# KiCad board Panel.kicad_pcb
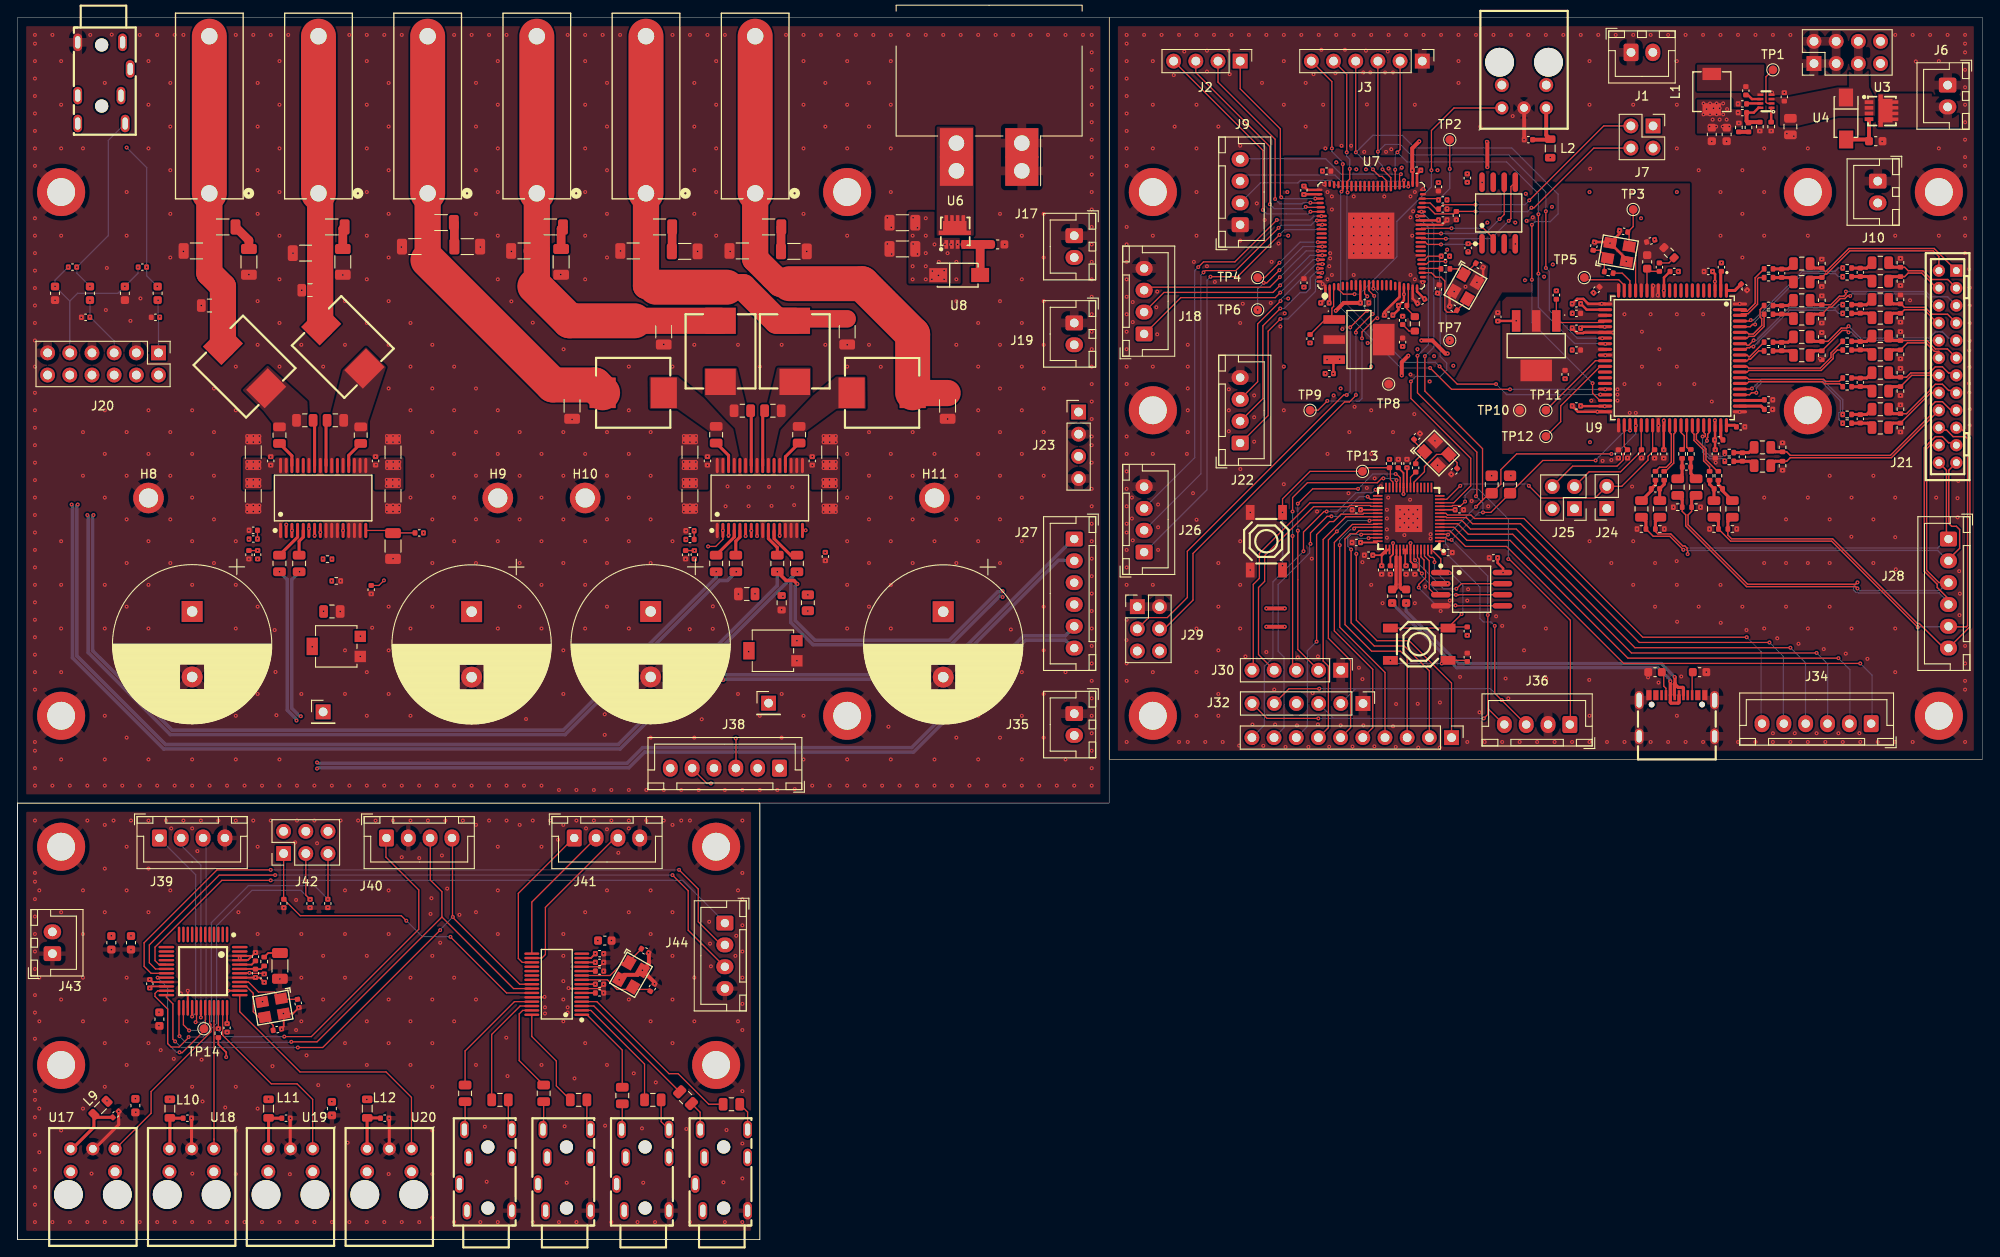
[diagram p0: board, top side]
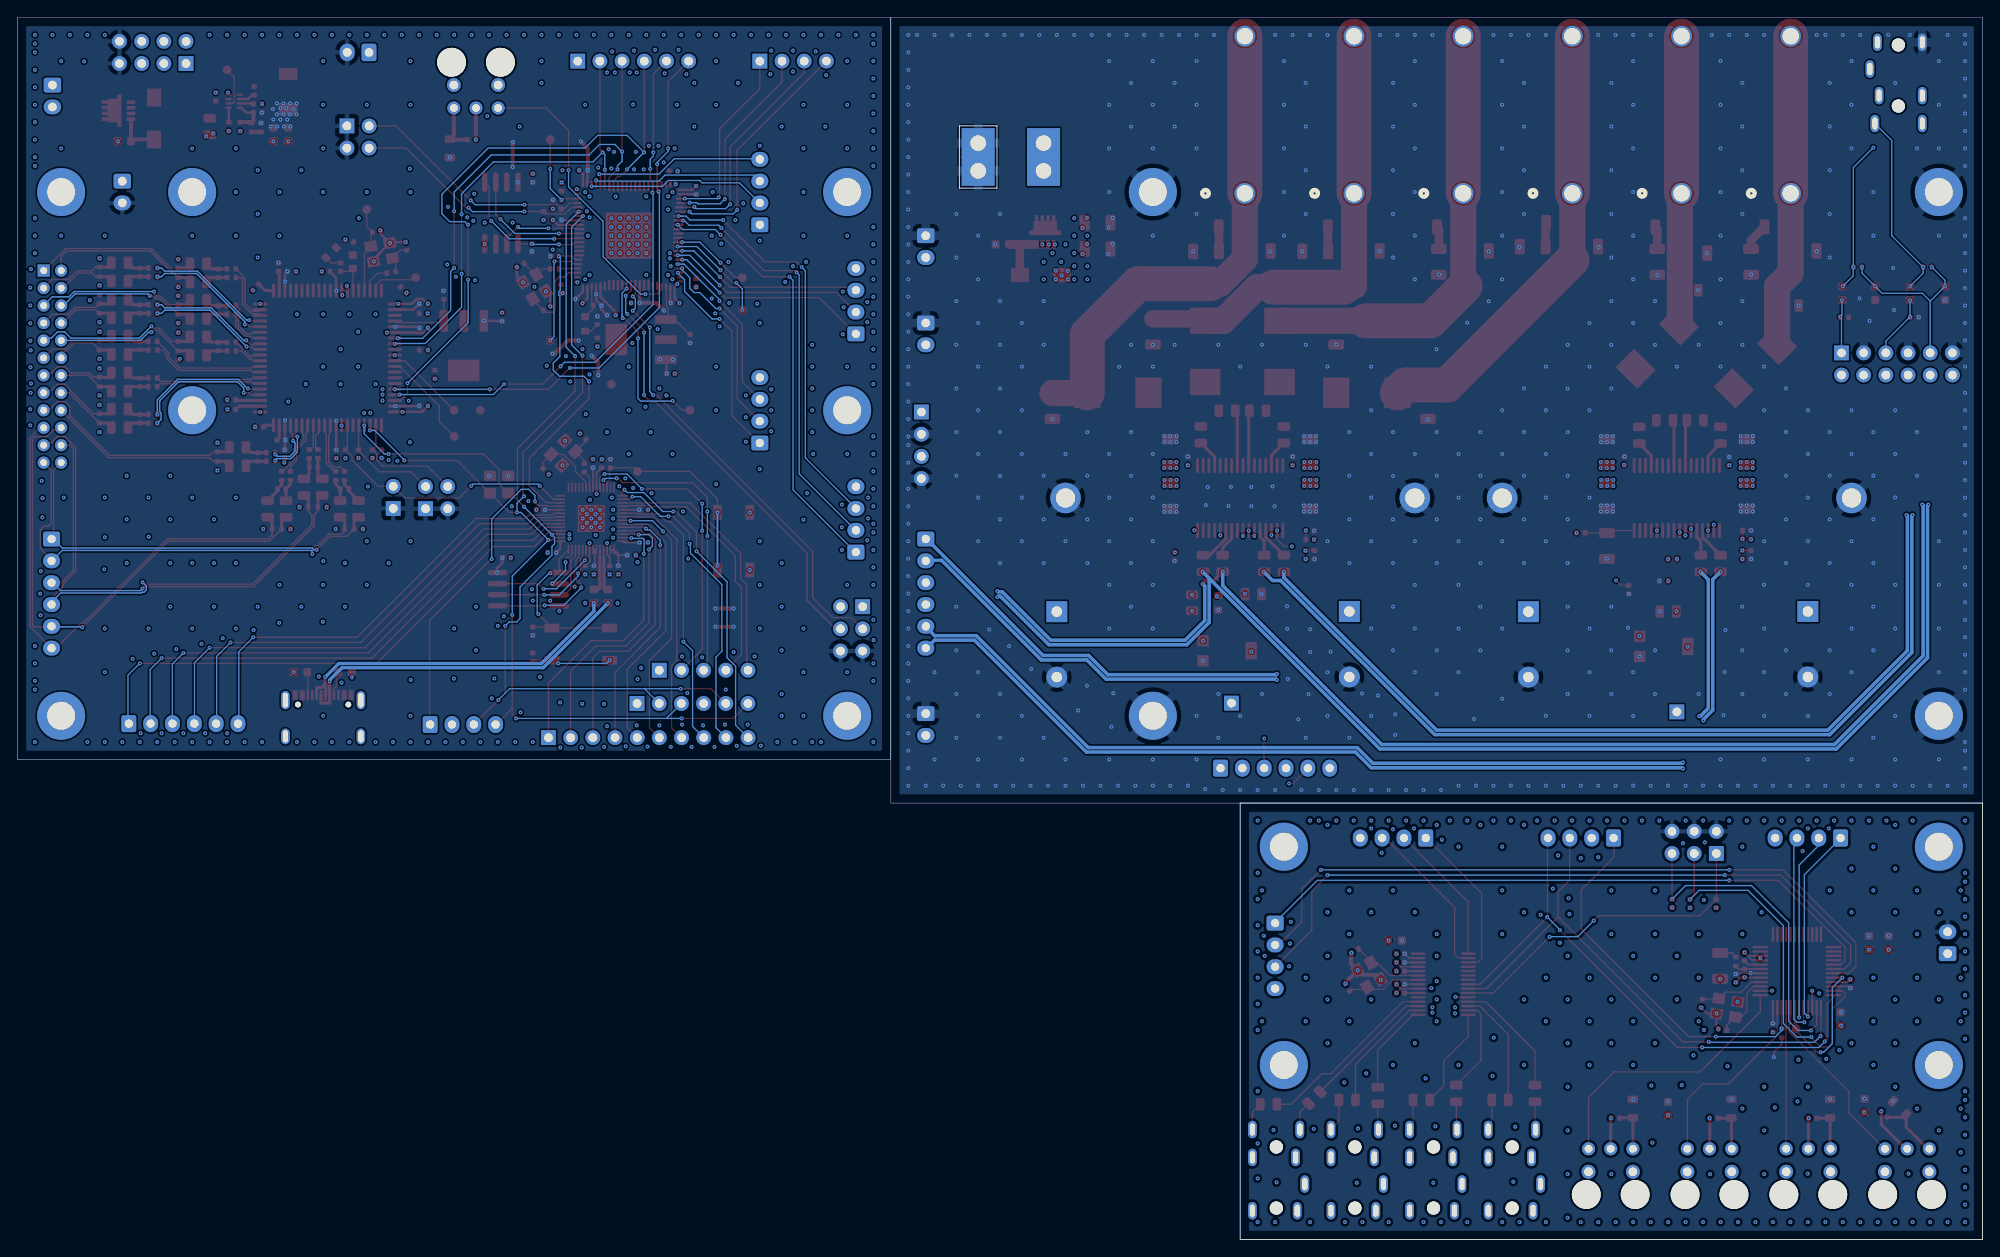
[diagram p1: board, bottom side, seen from below]

Outline 225 x 140 mm; copper layers: Top, In1.Cu, In2.Cu, Bottom. Coordinates in mm from the lower left corner of the outline.
Outline path: rectangle 0,140 125,50 ; rectangle 125,140 225,55 ; 0,50 85,50 85,0 0,0 0,50
Stack: Top 0.035mm / dielectric 0.0994mm 3313 er 4.1 / In1.Cu 0.0152mm / dielectric 1.265mm JLCPCB Core er 4.6 / In2.Cu 0.0152mm / dielectric 0.0994mm 3313 er 4.1 / Bottom 0.035mm

## Placement (name value [footprint] x y rotation side)
C1  100nF  [C_0402_1005Metric]  197.9 131.6 90 top
C2  100nF  [C_0402_1005Metric]  202.3 130.9 90 top
C3  33nF  [C_0402_1005Metric]  197.5 130.1 180 top
C4  47pF  [C_0402_1005Metric]  197.5 129.1 0 top
C5  10uF  [C_0805_2012Metric]  203 127.5 270 top
C6  22uF  [C_0603_1608Metric]  194 126.6 270 top
C7  22uF  [C_0603_1608Metric]  195.7 126.6 270 top
C8  100nF  [C_0402_1005Metric]  173 126 0 top
C9  10uF  [C_0402_1005Metric]  160.2 122.5 180 top
C10  10uF  [C_0402_1005Metric]  149.9 122.4 0 top
C11  10uF  [C_0402_1005Metric]  166 121.6 270 top
C12  10uF  [C_0402_1005Metric]  162.7 120.6 270 top
C13  10uF  [C_0402_1005Metric]  147.3 120.2 270 top
C14  10uF  [C_0402_1005Metric]  163.2 116.8 180 top
C15  10uF  [C_1206_3216Metric]  101.32 116.49 0 top
C16  30pF  [C_0402_1005Metric]  183.9 115.5 350 top
C17  10uF  [C_0402_1005Metric]  187 114.4 195 top
C18  30pF  [C_0402_1005Metric]  180.5 113.8 80 top
C19  1nF  [C_1206_3216Metric]  45.5 113.75 180 top
C20  10nF  [C_1206_3216Metric]  51.5 113.75 0 top
C21  10uF  [C_1206_3216Metric]  101.32 113.49 0 top
C22  1nF  [C_1206_3216Metric]  20.5 113.25 180 top
C23  1nF  [C_1206_3216Metric]  58 113.25 0 top
C24  1nF  [C_1206_3216Metric]  70.5 113.25 180 top
C25  1nF  [C_1206_3216Metric]  83 113.25 0 top
C26  10nF  [C_1206_3216Metric]  76.4 113.2 0 top
C27  10nF  [C_1206_3216Metric]  88.9 113.2 180 top
C28  1nF  [C_1206_3216Metric]  33 113 0 top
C29  10nF  [C_1206_3216Metric]  26.5 112 270 top
C30  10nF  [C_1206_3216Metric]  37.25 112 90 top
C31  10nF  [C_1206_3216Metric]  62.25 112 90 top
C32  390pF  [C_0603_1608Metric]  186.6 112 270 top
C33  10uF  [C_0805_2012Metric]  213.3 111.9 180 top
C34  10uF  [C_0805_2012Metric]  204.3 111.8 180 top
C35  30pF  [C_0402_1005Metric]  167.4 111.6 330 top
C36  5.6nF  [C_0402_1005Metric]  188 111.4 270 top
C37  470nF  [C_0402_1005Metric]  195.1 111.4 90 top
C38  10uF  [C_0402_1005Metric]  189.7 110.9 180 top
C39  10uF  [C_0402_1005Metric]  193.6 110.9 0 top
C40  2.7nF  [C_0402_1005Metric]  211 110.8 270 top
C41  2.7nF  [C_0402_1005Metric]  202 110.7 270 top
C42  10uF  [C_0805_2012Metric]  213.3 109.8 0 top
C43  10uF  [C_0805_2012Metric]  204.3 109.7 0 top
C44  10uF  [C_0402_1005Metric]  147.3 109.6 90 top
C45  470nF  [C_0402_1005Metric]  197.7 109.1 135 top
C46  10uF  [C_0402_1005Metric]  162.7 108.9 80 top
C47  10uF  [C_0402_1005Metric]  180.8 108.8 45 top
C48  1uF  [C_0805_2012Metric]  33.5 108.75 0 top
C49  180nF  [C_0603_1608Metric]  4.3 108.4 90 top
C50  180nF  [C_0603_1608Metric]  8.3 108.4 90 top
C51  180nF  [C_0603_1608Metric]  12.3 108.4 90 top
C52  180nF  [C_0603_1608Metric]  16.05 108.4 270 top
C53  10uF  [C_0805_2012Metric]  213.3 107.7 180 top
C54  10uF  [C_0805_2012Metric]  204.3 107.6 180 top
C55  10uF  [C_0402_1005Metric]  160.7 107.5 30 top
C56  10uF  [C_0402_1005Metric]  149.7 107.3 0 top
C57  10uF  [C_0402_1005Metric]  154.25 107.3 180 top
C58  10uF  [C_0402_1005Metric]  178.5 107.2 0 top
C59  1uF  [C_0805_2012Metric]  22 107 180 top
C60  150pF  [C_0402_1005Metric]  158.6 107 0 top
C61  30pF  [C_0402_1005Metric]  164.4 106.7 330 top
C62  2.7nF  [C_0402_1005Metric]  211 106.6 270 top
C63  2.7nF  [C_0402_1005Metric]  202 106.5 270 top
C64  10uF  [C_0402_1005Metric]  178.5 106.1 0 top
C65  10uF  [C_0402_1005Metric]  157 105.9 0 top
C66  10uF  [C_0402_1005Metric]  169.5 105.7 270 top
C67  10uF  [C_0805_2012Metric]  213.3 105.6 0 top
C68  10uF  [C_0805_2012Metric]  204.3 105.5 0 top
C69  5.6nF  [C_0402_1005Metric]  158.6 105.3 90 top
C70  10uF  [C_0402_1005Metric]  178.5 104.4 0 top
C71  680nF  [C_1206_3216Metric]  74 104 90 top
C72  680nF  [C_1206_3216Metric]  95 104 270 top
C73  10uF  [C_0805_2012Metric]  213.3 103.5 180 top
C74  10uF  [C_0805_2012Metric]  204.3 103.4 180 top
C75  10uF  [C_0402_1005Metric]  158.6 102.8 90 top
C76  2.7nF  [C_0402_1005Metric]  211 102.4 270 top
C77  2.7nF  [C_0402_1005Metric]  202 102.3 270 top
C78  10uF  [C_0402_1005Metric]  178.5 101.9 0 top
C79  10uF  [C_0805_2012Metric]  213.3 101.4 0 top
C80  10uF  [C_0805_2012Metric]  204.3 101.3 0 top
C81  10uF  [C_0805_2012Metric]  213.3 99.3 180 top
C82  10uF  [C_0402_1005Metric]  150.2 99.2 0 top
C83  10uF  [C_0402_1005Metric]  177.2 99.1 90 top
C84  2.7nF  [C_0402_1005Metric]  211 98.2 270 top
C85  10uF  [C_0805_2012Metric]  213.3 97.2 0 top
C86  10uF  [C_0402_1005Metric]  200.5 96.2 0 top
C87  680nF  [C_1206_3216Metric]  63.5 95.5 270 top
C88  680nF  [C_1206_3216Metric]  106.5 95.5 90 top
C89  10uF  [C_0402_1005Metric]  178.5 95.5 0 top
C90  10uF  [C_0805_2012Metric]  213.3 95.12 180 top
C91  10uF  [C_0402_1005Metric]  200.5 95.1 0 top
C92  220nF  [C_0805_2012Metric]  83 94.95 180 top
C93  220nF  [C_0805_2012Metric]  86.5 94.95 0 top
C94  2.7nF  [C_0402_1005Metric]  211 94.02 270 top
C95  220nF  [C_0805_2012Metric]  32.9 93.85 180 top
C96  220nF  [C_0805_2012Metric]  36.4 93.85 0 top
C97  470nF  [C_0402_1005Metric]  197.3 93.1 180 top
C98  10uF  [C_0805_2012Metric]  213.3 93.02 0 top
C99  220nF  [C_0805_2012Metric]  80 92.2 90 top
C100  220nF  [C_0805_2012Metric]  89.5 92.2 90 top
C101  220nF  [C_0805_2012Metric]  30 92.15 90 top
C102  220nF  [C_0805_2012Metric]  39.3 92.15 90 top
C103  30pF  [C_0402_1005Metric]  160.25 92 225 top
C104  470nF  [C_0402_1005Metric]  194.8 91.6 180 top
C105  10uF  [C_0805_2012Metric]  199.8 90.75 180 top
C106  10uF  [C_1206_3216Metric]  27 90.2 90 top
C107  10uF  [C_1206_3216Metric]  43 90.2 90 top
C108  10uF  [C_1206_3216Metric]  77 90.2 90 top
C109  10uF  [C_1206_3216Metric]  93 90.2 90 top
C110  10uF  [C_0402_1005Metric]  183.3 90 90 top
C111  10uF  [C_0402_1005Metric]  188.5 90 90 top
C112  10uF  [C_0402_1005Metric]  194.4 90 90 top
C113  2.7nF  [C_0402_1005Metric]  197.5 89.65 270 top
C114  100nF  [C_0402_1005Metric]  29 89.2 90 top
C115  100nF  [C_0402_1005Metric]  41 89.2 90 top
C116  100nF  [C_0402_1005Metric]  79 89.2 90 top
C117  100nF  [C_0402_1005Metric]  91 89.2 90 top
C118  10uF  [C_0402_1005Metric]  158.1 88.9 270 top
C119  10uF  [C_0402_1005Metric]  159.1 88.9 270 top
C120  10uF  [C_0805_2012Metric]  199.8 88.65 0 top
C121  2.7nF  [C_0402_1005Metric]  191.1 88.5 180 top
C122  30pF  [C_0402_1005Metric]  164.5 88 45 top
C123  10uF  [C_0805_2012Metric]  190.1 86.2 270 top
C124  10uF  [C_0805_2012Metric]  192.2 86.2 90 top
C125  2.7nF  [C_0402_1005Metric]  187.55 86 180 top
C126  2.7nF  [C_0402_1005Metric]  194.75 86 180 top
C127  10uF  [C_1206_3216Metric]  27 85.2 270 top
C128  10uF  [C_1206_3216Metric]  43 85.2 270 top
C129  10uF  [C_1206_3216Metric]  77 85.2 270 top
C130  10uF  [C_1206_3216Metric]  93 85.2 270 top
C131  10uF  [C_0805_2012Metric]  185.95 83.7 270 top
C132  10uF  [C_0805_2012Metric]  188.05 83.7 90 top
C133  10uF  [C_0805_2012Metric]  194.25 83.7 270 top
C134  10uF  [C_0805_2012Metric]  196.35 83.7 90 top
C135  10uF  [C_0402_1005Metric]  153.3 83.6 0 top
C136  10uF  [C_0402_1005Metric]  165.1 83.6 180 top
C137  10uF  [C_0402_1005Metric]  153.3 79.85 0 top
C138  1nF  [C_1206_3216Metric]  43 79.45 270 top
C139  10uF  [C_0402_1005Metric]  163.8 78.7 180 top
C140  10uF  [C_0402_1005Metric]  154.7 78.4 0 top
C141  10uF  [C_0402_1005Metric]  169 78.1 0 top
C142  1uF  [C_0805_2012Metric]  30 77.45 90 top
C143  1uF  [C_0805_2012Metric]  32.25 77.45 90 top
C144  1uF  [C_0805_2012Metric]  80 77.45 90 top
C145  1uF  [C_0805_2012Metric]  82.25 77.45 90 top
C146  1uF  [C_0805_2012Metric]  87 77.45 90 top
C147  1uF  [C_0805_2012Metric]  89.25 77.45 90 top
C148  10uF  [C_0402_1005Metric]  156.2 76.7 90 top
C149  10uF  [C_0402_1005Metric]  157.2 76.7 90 top
C150  10uF  [C_0402_1005Metric]  159 76.7 90 top
C151  10uF  [C_0402_1005Metric]  160 76.7 90 top
C152  1uF X7R  [C_0805_2012Metric]  83.5 73.95 0 top
C153  2200uF  [CP_Radial_D18.0mm_P7.50mm]  20 71.95 270 top
C154  1uF X7R  [C_0805_2012Metric]  36 71.95 180 top
C155  2200uF  [CP_Radial_D18.0mm_P7.50mm]  72.5 71.95 270 top
C156  2200uF  [CP_Radial_D18.0mm_P7.50mm]  52 71.93 270 top
C157  2200uF  [CP_Radial_D18.0mm_P7.50mm]  106 71.93 270 top
C158  22uF  [C_0603_1608Metric]  67.25 34.25 0 top
C159  22uF  [C_0603_1608Metric]  10.75 34 270 top
C160  22uF  [C_0603_1608Metric]  13 34 270 top
C161  30pF  [C_0402_1005Metric]  71.85 33.07 330 top
C162  10uF  [C_0402_1005Metric]  66.65 32.75 180 top
C163  10uF  [C_0402_1005Metric]  27.25 32.4 90 top
C164  10uF  [C_0402_1005Metric]  66.65 31.75 180 top
C165  68nF  [C_1206_3216Metric]  30.05 31.35 90 top
C166  10uF  [C_0402_1005Metric]  66.65 30.75 0 top
C167  4.7nF  [C_0402_1005Metric]  27.25 30.5 270 top
C168  10uF  [C_0402_1005Metric]  28.25 29.95 90 top
C169  10uF  [C_0402_1005Metric]  15.15 29.3 270 top
C170  10uF  [C_0402_1005Metric]  66.65 29.25 180 top
C171  30pF  [C_0402_1005Metric]  72.7 28.87 240 top
C172  10uF  [C_0402_1005Metric]  66.65 28.25 0 top
C173  30pF  [C_0402_1005Metric]  32.15 27.05 280 top
C174  22uF  [C_0603_1608Metric]  16.25 25.25 270 top
C175  10uF  [C_0402_1005Metric]  24 24.25 90 top
C176  30pF  [C_0402_1005Metric]  29.75 24.05 190 top
C177  10uF  [C_0805_2012Metric]  51.25 16.75 90 top
C178  10uF  [C_0805_2012Metric]  60.25 16.75 90 top
C179  10uF  [C_0805_2012Metric]  69.25 16.5 90 top
C180  10uF  [C_0805_2012Metric]  76.5 16.25 135 top
C181  10uF  [C_0805_2012Metric]  55.25 16 180 top
C182  10uF  [C_0805_2012Metric]  64.25 16 180 top
C183  10uF  [C_0805_2012Metric]  72.75 16 180 top
C184  10uF  [C_0805_2012Metric]  81.75 15.5 180 top
C185  22uF  [C_0603_1608Metric]  13.5 15.34 270 top
C186  22uF  [C_0603_1608Metric]  36 15 270 top
C187  100nF  [C_0402_1005Metric]  11.25 14.34 225 top
C188  100nF  [C_0402_1005Metric]  19.45 13.9 180 top
C189  100nF  [C_0402_1005Metric]  30.75 13.9 180 top
C190  100nF  [C_0402_1005Metric]  42.05 13.9 180 top
H1  MountingHole_Pad  [MountingHole_3.2mm_M3_ISO14580_Pad]  5 120 0 top
H2  MountingHole_Pad  [MountingHole_3.2mm_M3_ISO14580_Pad]  95 120 0 top
H3  MountingHole_Pad  [MountingHole_3.2mm_M3_ISO14580_Pad]  130 120 0 top
H4  MountingHole_Pad  [MountingHole_3.2mm_M3_ISO14580_Pad]  205 120 0 top
H5  MountingHole_Pad  [MountingHole_3.2mm_M3_ISO14580_Pad]  220 120 0 top
H6  MountingHole_Pad  [MountingHole_3.2mm_M3_ISO14580_Pad]  130 95 0 top
H7  MountingHole_Pad  [MountingHole_3.2mm_M3_ISO14580_Pad]  205 95 0 top
H8  MountingHole_Pad  [MountingHole_2.2mm_M2_ISO7380_Pad]  15 84.95 0 top
H9  MountingHole_Pad  [MountingHole_2.2mm_M2_ISO7380_Pad]  55 84.95 0 top
H10  MountingHole_Pad  [MountingHole_2.2mm_M2_ISO7380_Pad]  65 84.95 0 top
H11  MountingHole_Pad  [MountingHole_2.2mm_M2_ISO7380_Pad]  105 84.95 0 top
H12  MountingHole_Pad  [MountingHole_3.2mm_M3_ISO14580_Pad]  5 60 0 top
H13  MountingHole_Pad  [MountingHole_3.2mm_M3_ISO14580_Pad]  95 60 0 top
H14  MountingHole_Pad  [MountingHole_3.2mm_M3_ISO14580_Pad]  130 60 0 top
H15  MountingHole_Pad  [MountingHole_3.2mm_M3_ISO14580_Pad]  220 60 0 top
H16  MountingHole_Pad  [MountingHole_3.2mm_M3_ISO14580_Pad]  5 45 180 top
H17  MountingHole_Pad  [MountingHole_3.2mm_M3_ISO14580_Pad]  80 45 180 top
H18  MountingHole_Pad  [MountingHole_3.2mm_M3_ISO14580_Pad]  5 20 180 top
H19  MountingHole_Pad  [MountingHole_3.2mm_M3_ISO14580_Pad]  80 20 180 top
J1  Conn_01x02_Pin  [JST_XH_B2B-XH-A_1x02_P2.50mm_Vertical]  186 136 180 top
J2  DNP  [PinHeader_1x04_P2.54mm_Vertical]  140 135 270 top
J3  DNP  [PinHeader_1x06_P2.54mm_Vertical]  160.85 135 270 top
J4  DNP  [PinHeader_2x04_P2.54mm_Vertical]  205.7 134.72 90 top
J5  ST-0322D00-071-1A2H  [AUDIO-TH_ST-0322D00-071-1A2H]  9.9 132.5 270 top
J6  Conn_01x02_Pin  [JST_XH_B2B-XH-A_1x02_P2.50mm_Vertical]  221 131 90 top
J7  DNP  [PinHeader_2x02_P2.54mm_Vertical]  187.28 127.58 270 top
J8  DNP  [Molex_Sabre_43160-1102_1x02_P7.49mm_Horizontal]  115 125.6 180 top
J9  DNP  [JST_XH_B4B-XH-A_1x04_P2.50mm_Vertical]  140 120 270 top
J10  Conn_01x02_Pin  [JST_XH_B2B-XH-A_1x02_P2.50mm_Vertical]  213 120 90 top
J11  banana connector  [CONN_973582100_HRS]  21.97 119.85 180 top
J12  banana connector  [CONN_973582100_HRS]  34.47 119.85 180 top
J13  banana connector  [CONN_973582100_HRS]  46.97 119.85 180 top
J14  banana connector  [CONN_973582100_HRS]  59.47 119.85 180 top
J15  banana connector  [CONN_973582100_HRS]  71.97 119.85 180 top
J16  banana connector  [CONN_973582100_HRS]  84.47 119.85 180 top
J17  Conn_01x02_Pin  [JST_XH_B2B-XH-A_1x02_P2.50mm_Vertical]  121 113.75 90 top
J18  B4B-XH-2_(LF)(SN)  [JST_XH_B4B-XH-A_1x04_P2.50mm_Vertical]  129 107.5 270 top
J19  Conn_01x02_Pin  [JST_XH_B2B-XH-A_1x02_P2.50mm_Vertical]  121 103.75 90 top
J20  DNP  [PinHeader_2x06_P2.54mm_Vertical]  16.15 101.58 270 top
J21  DAC all outputs  [CONN-TH_24P-P2.00_B24B-PHDSS]  221 100 90 top
J22  B4B-XH-2_(LF)(SN)  [JST_XH_B4B-XH-A_1x04_P2.50mm_Vertical]  140 95 270 top
J23  DNP  [PinHeader_1x04_P2.54mm_Vertical]  121.5 94.8 0 top
J24  DNP  [PinSocket_1x02_P2.54mm_Vertical]  181.97 83.75 180 top
J25  DNP  [PinHeader_2x02_P2.54mm_Vertical]  178.28 83.72 180 top
J26  B4B-XH-2_(LF)(SN)  [JST_XH_B4B-XH-A_1x04_P2.50mm_Vertical]  129 82.5 270 top
J27  B6B-XH-2(LF)(SN)  [JST_XH_B6B-XH-A_1x06_P2.50mm_Vertical]  121 74 90 top
J28  B6B-XH-2(LF)(SN)  [JST_XH_B6B-XH-A_1x06_P2.50mm_Vertical]  221.1 74 90 top
J29  DNP  [PinHeader_2x03_P2.54mm_Vertical]  128.22 72.5 0 top
J30  DNP  [PinHeader_1x05_P2.54mm_Vertical]  151.51 65.22 270 top
J31  Conn_01x01_Pin  [PinHeader_1x01_P2.54mm_Vertical]  86 61.45 0 top  (not fitted)
J32  DNP  [PinHeader_1x06_P2.54mm_Vertical]  154.06 61.41 270 top
J33  Conn_01x01_Pin  [PinHeader_1x01_P2.54mm_Vertical]  35 60.45 0 top  (not fitted)
J34  B6B-XH-2(LF)(SN)  [JST_XH_B6B-XH-A_1x06_P2.50mm_Vertical]  206 59.1 0 top
J35  Conn_01x02_Pin  [JST_XH_B2B-XH-A_1x02_P2.50mm_Vertical]  121 59 90 top
J36  B4B-XH-2_(LF)(SN)  [JST_XH_B4B-XH-A_1x04_P2.50mm_Vertical]  174 59 0 top
J37  DNP  [PinHeader_1x10_P2.54mm_Vertical]  164.2 57.5 270 top
J38  B6B-XH-2(LF)(SN)  [JST_XH_B6B-XH-A_1x06_P2.50mm_Vertical]  81 54 0 top
J39  B4B-XH-2_(LF)(SN)  [JST_XH_B4B-XH-A_1x04_P2.50mm_Vertical]  20 46 180 top
J40  B4B-XH-2_(LF)(SN)  [JST_XH_B4B-XH-A_1x04_P2.50mm_Vertical]  46 46 180 top
J41  B4B-XH-2_(LF)(SN)  [JST_XH_B4B-XH-A_1x04_P2.50mm_Vertical]  67.5 46 180 top
J42  DNP  [PinHeader_2x03_P2.54mm_Vertical]  30.47 44.22 90 top
J43  Conn_01x02_Pin  [JST_XH_B2B-XH-A_1x02_P2.50mm_Vertical]  4 34 270 top
J44  B4B-XH-2_(LF)(SN)  [JST_XH_B4B-XH-A_1x04_P2.50mm_Vertical]  81 32.5 90 top
J45  ST-0322D00-071-1A2H  [AUDIO-TH_ST-0322D00-071-1A2H]  53.6 7.96 90 top
J46  ST-0322D00-071-1A2H  [AUDIO-TH_ST-0322D00-071-1A2H]  62.6 7.96 90 top
J47  ST-0322D00-071-1A2H  [AUDIO-TH_ST-0322D00-071-1A2H]  71.6 7.96 90 top
J48  ST-0322D00-071-1A2H  [AUDIO-TH_ST-0322D00-071-1A2H]  80.6 7.96 90 top
L1  2.2uH  [IND-SMD_L4.4-W4.2]  194 131.5 90 top
L2  47uH  [L_0805_2012Metric]  175.5 125 270 top
L3  10uH  [IND-SMD_L8.5-W8.0_PCC-M0854M]  37.25 102.25 135 top
L4  10uH  [IND-SMD_L8.5-W8.0_PCC-M0854M]  80.5 101.75 90 top
L5  10uH  [IND-SMD_L8.5-W8.0_PCC-M0854M]  89 101.75 90 top
L6  10uH  [IND-SMD_L8.5-W8.0_PCC-M0854M]  26 100 135 top
L7  10uH  [IND-SMD_L8.5-W8.0_PCC-M0854M]  70.5 97 180 top
L8  10uH  [IND-SMD_L8.5-W8.0_PCC-M0854M]  99 97 0 top
L9  47uH  [L_0805_2012Metric]  9.5 15.09 45 top
L10  47uH  [L_0805_2012Metric]  17.45 15 90 top
L11  47uH  [L_0805_2012Metric]  28.75 15 90 top
L12  47uH  [L_0805_2012Metric]  40.05 15 90 top
R1  10k 63mW  [R_0402_1005Metric]  199.5 127.5 270 top
R2  15k 100mW  [R_0402_1005Metric]  200.8 127.5 270 top
R3  30k 63mW  [R_0402_1005Metric]  197.1 127.4 270 top
R4  1.3k  [R_0402_1005Metric]  198.2 127.4 90 top
R5  100k  [C_0603_1608Metric]  212.77 125.83 0 top
R6  10k  [C_0402_1005Metric]  163.2 119.1 180 top
R7  10k  [C_0402_1005Metric]  163.2 118.05 180 top
R8  10k  [C_0402_1005Metric]  164.75 117.3 90 top
R9  3.3  [R_1206_3216Metric]  48.5 116.5 0 top
R10  3.3  [R_1206_3216Metric]  23.5 116 0 top
R11  3.3  [R_1206_3216Metric]  36 116 180 top
R12  3.3  [R_1206_3216Metric]  61 116 180 top
R13  3.3  [R_1206_3216Metric]  73.5 116 0 top
R14  3.3  [R_1206_3216Metric]  86 116 180 top
R15  100k  [C_0603_1608Metric]  112.22 114 0 top
R16  10k  [C_0402_1005Metric]  166.1 113.6 90 top
R17  562  [R_0603_1608Metric]  189.1 113.05 315 top
R18  10k  [C_0402_1005Metric]  163.5 112.65 180 top
R19  49.9k  [R_0402_1005Metric]  215.6 111.9 90 top
R20  49.9k  [R_0402_1005Metric]  206.6 111.8 90 top
R21  10k  [C_0402_1005Metric]  6.3 111.4 180 top
R22  10k  [C_0402_1005Metric]  14.3 111.4 180 top
R23  237  [R_0402_1005Metric]  209.5 111.3 0 top
R24  100  [R_0402_1005Metric]  163.5 111.2 0 top
R25  237  [R_0402_1005Metric]  200.5 111.2 0 top
R26  100  [R_0402_1005Metric]  182.2 110.8 170 top
R27  237  [R_0402_1005Metric]  209.5 110.3 0 top
R28  237  [R_0402_1005Metric]  200.5 110.2 0 top
R29  49.9k  [R_0402_1005Metric]  215.6 109.8 270 top
R30  49.9k  [R_0402_1005Metric]  206.6 109.7 270 top
R31  1k  [C_0402_1005Metric]  176.2 108.2 90 top
R32  49.9k  [R_0402_1005Metric]  215.6 107.7 90 top
R33  49.9k  [R_0402_1005Metric]  206.6 107.6 90 top
R34  237  [R_0402_1005Metric]  209.5 107.1 0 top
R35  237  [R_0402_1005Metric]  200.5 107 0 top
R36  237  [R_0402_1005Metric]  209.5 106.1 0 top
R37  237  [R_0402_1005Metric]  200.5 106 0 top
R38  10k  [C_0402_1005Metric]  7.8 105.65 180 top
R39  10k  [C_0402_1005Metric]  15.8 105.65 180 top
R40  49.9k  [R_0402_1005Metric]  215.6 105.6 270 top
R41  49.9k  [R_0402_1005Metric]  206.6 105.5 270 top
R42  4k3  [R_0603_1608Metric]  160 104.9 90 top
R43  49.9k  [R_0402_1005Metric]  215.6 103.5 90 top
R44  49.9k  [R_0402_1005Metric]  206.6 103.4 90 top
R45  1k  [C_0402_1005Metric]  148 103.2 90 top
R46  237  [R_0402_1005Metric]  209.5 102.9 0 top
R47  237  [R_0402_1005Metric]  200.5 102.8 0 top
R48  237  [R_0402_1005Metric]  209.5 101.9 0 top
R49  237  [R_0402_1005Metric]  200.5 101.8 0 top
R50  49.9k  [R_0402_1005Metric]  215.6 101.4 270 top
R51  49.9k  [R_0402_1005Metric]  206.6 101.3 270 top
R52  49.9k  [R_0402_1005Metric]  215.6 99.3 90 top
R53  237  [R_0402_1005Metric]  209.5 98.7 0 top
R54  237  [R_0402_1005Metric]  209.5 97.7 0 top
R55  49.9k  [R_0402_1005Metric]  215.6 97.2 270 top
R56  49.9k  [R_0402_1005Metric]  215.6 95.12 90 top
R57  237  [R_0402_1005Metric]  209.5 94.52 0 top
R58  237  [R_0402_1005Metric]  209.5 93.52 0 top
R59  49.9k  [R_0402_1005Metric]  215.6 93.02 270 top
R60  49.9k  [R_0402_1005Metric]  202.1 90.75 90 top
R61  237  [R_0402_1005Metric]  196 90.15 0 top
R62  10k  [C_0402_1005Metric]  184.35 90 90 top
R63  10k  [C_0402_1005Metric]  185.95 90 90 top
R64  10k  [C_0402_1005Metric]  187.45 90 270 top
R65  237  [R_0402_1005Metric]  190.6 90 270 top
R66  237  [R_0402_1005Metric]  191.6 90 270 top
R67  237  [R_0402_1005Metric]  196 89.15 0 top
R68  10k  [C_0402_1005Metric]  157.1 88.9 90 top
R69  49.9k  [R_0402_1005Metric]  202.1 88.65 270 top
R70  1k  [C_0402_1005Metric]  160.1 88.4 270 top
R71  237  [R_0402_1005Metric]  187.55 87.5 270 top
R72  237  [R_0402_1005Metric]  188.55 87.5 270 top
R73  237  [R_0402_1005Metric]  193.75 87.5 270 top
R74  237  [R_0402_1005Metric]  194.75 87.5 270 top
R75  2k2  [R_0805_2012Metric_Pad1.20x1.40mm_HandSolder]  168.8 86.5 270 top
R76  2k2  [R_0805_2012Metric_Pad1.20x1.40mm_HandSolder]  170.9 86.5 270 top
R77  49.9k  [R_0402_1005Metric]  190.1 83.9 180 top
R78  49.9k  [R_0402_1005Metric]  192.2 83.9 0 top
R79  49.9k  [R_0402_1005Metric]  185.95 81.4 180 top
R80  49.9k  [R_0402_1005Metric]  188.05 81.4 0 top
R81  49.9k  [R_0402_1005Metric]  194.25 81.4 180 top
R82  49.9k  [R_0402_1005Metric]  196.35 81.4 0 top
R83  1k5  [C_0402_1005Metric]  27 81.25 0 top
R84  1k5  [C_0402_1005Metric]  77 81.2 0 top
R85  10k  [C_0402_1005Metric]  46 80.95 180 top
R86  10k  [C_0402_1005Metric]  27 80.25 180 top
R87  10k  [C_0402_1005Metric]  77 80.2 180 top
R88  1k5  [C_0402_1005Metric]  26.5 78.45 90 top
R89  10k  [C_0402_1005Metric]  27.5 78.45 270 top
R90  1k5  [C_0402_1005Metric]  76.5 78.45 90 top
R91  10k  [C_0402_1005Metric]  77.5 78.45 270 top